# Altium PCB PCB2.PcbDoc
Units mil, origin at the board's own origin, x right, y up, seen from the top; angles counter-clockwise.
Board outline 3149.61 x 1574.8 mil, 2 copper layers (Top Layer, Bottom Layer); 49 components, 19 nets, 130 pads, 141 vias.
Unrouted connection lines stored in the file: 28.
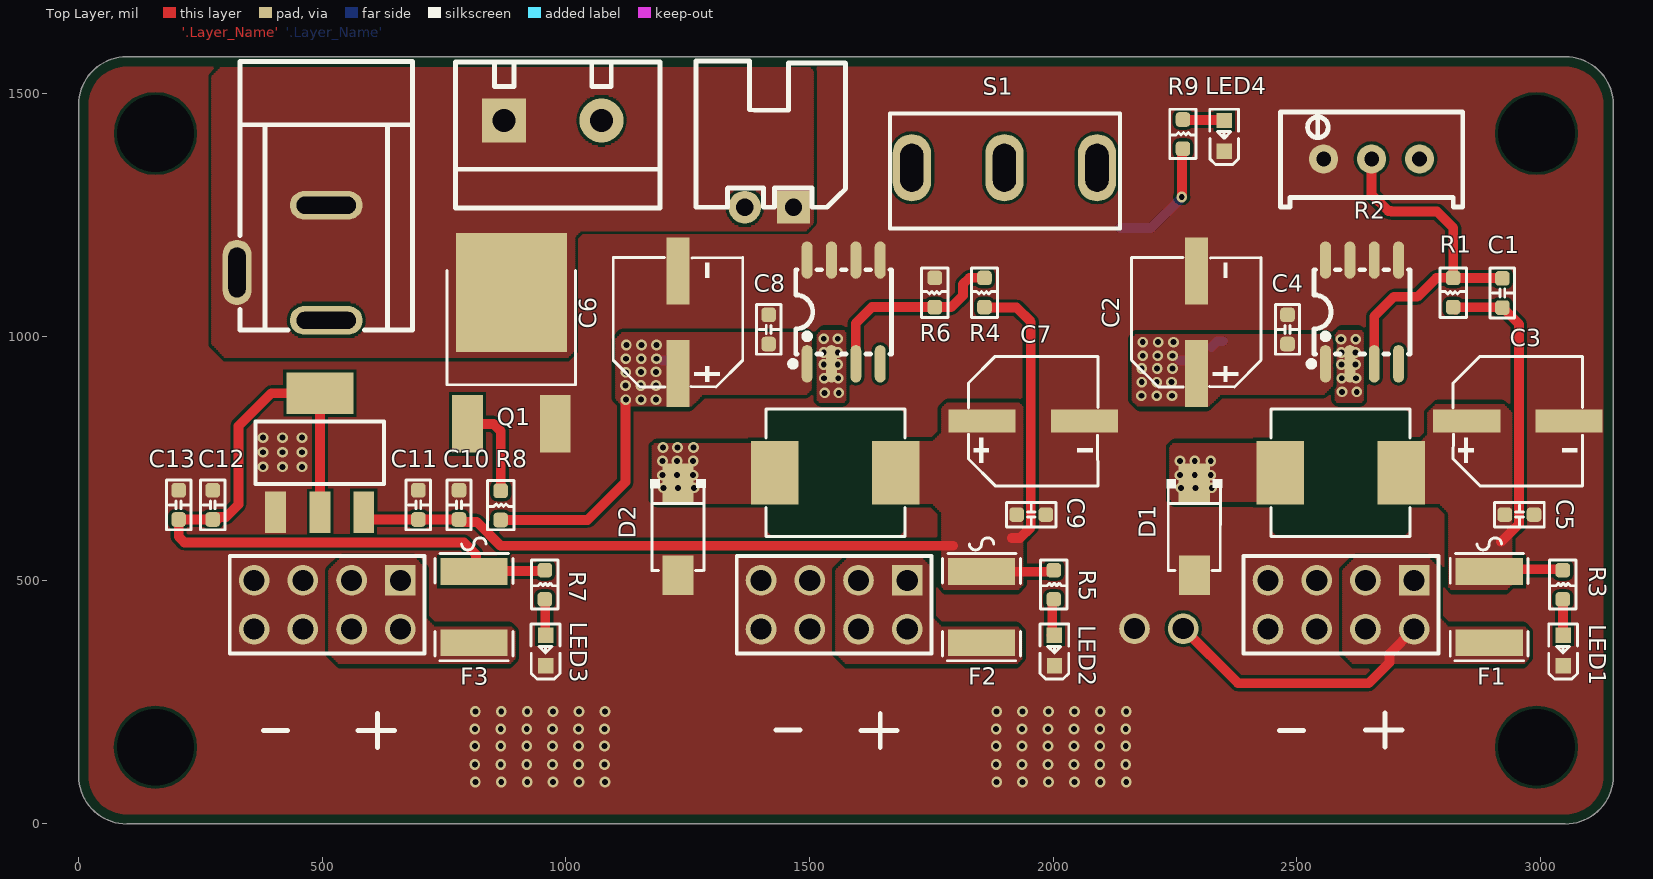
[diagram p0: Top Layer view]
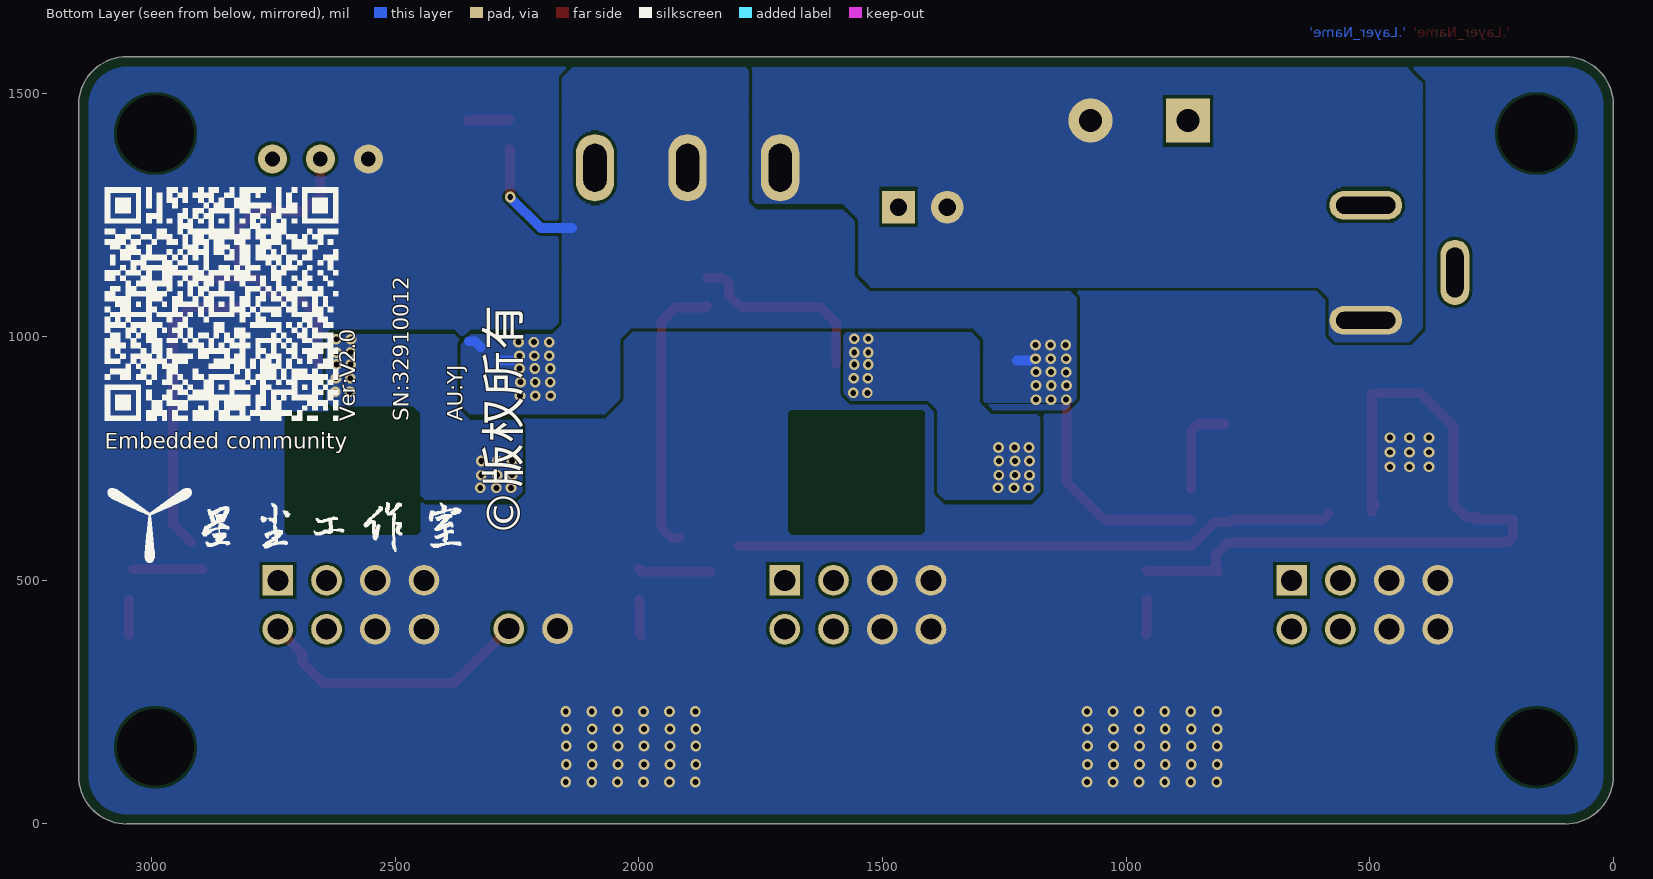
[diagram p1: Bottom Layer view, seen from below]

## Layer stack, top to bottom
Top Solder: solder mask 12.5984, Solder Resist, Dk 3.5
Top Layer: signal copper 12.5984
Dielectric 1: dielectric 12.6, FR-4, Dk 4.8
Bottom Layer: signal copper 12.5984
Bottom Solder: solder mask 12.5984, Solder Resist, Dk 3.5

## Board outline
0,98.43 ccw(c98.43,98.43) 98.43,0 3051.18,0 ccw(c3051.18,98.43) 3149.61,98.43 3149.61,1476.38 ccw(c3051.18,1476.38) 3051.18,1574.8 98.43,1574.8 ccw(c98.43,1476.38) 0,1476.38

## Design rules (kind name [scope] priority, off if disabled: settings)
BoardOutlineClearance [All] p1: gap=20 ignorepadtopadclearanceinfootprint=FALSE
Clearance Clearance_2 [InNamedPolygon('Top Layer-No Net1') vs OnLayer('Mechanical 1')] p1: gap=6 ignorepadtopadclearanceinfootprint=FALSE
Clearance Clearance_1 [InNamedPolygon('Top Layer-No Net1') vs OnLayer('Mechanical 1')] p2: gap=8 ignorepadtopadclearanceinfootprint=FALSE
Clearance [All] p3: gap=6 ignorepadtopadclearanceinfootprint=FALSE
PlaneClearance [All] p1: clearance=8
PlaneConnect [All] p1: planeconnectstyle=Direct reliefexpansion=20 reliefentries=4 reliefconductorwidth=10 reliefairgap=10
PolygonConnect PolygonConnect_1 [InNet('GND')] p1: connectstyle=Direct reliefconductorwidth=15 reliefentries=4 polygonreliefangle="90 Angle" airgapwidth=10
PolygonConnect [All] p2: connectstyle=Direct reliefconductorwidth=10 reliefentries=4 polygonreliefangle="90 Angle" airgapwidth=10
RoutingVias [All] p1: holewidth=12 width=22 viastyle="Through Hole" minholewidth=12 minwidth=22 maxholewidth=12 maxwidth=22
SilkToSilkClearance [All] p1: silktosilkclearance=2
SilkToSolderMaskClearance [IsPad] p1: minsilkscreentomaskgap=2 clearancetoexposedcopper=TRUE
SolderMaskExpansion [All] p1: expansion=4
Width [All] p1: maxlimit=100 minlimit=20 preferedwidth=20
26 further rules are at their usual default settings.

## Classes and differential pairs
component class Sheet1: C1 C2 C3 C4 C5 C6 C7 C8 C9 C10 C11 C12 C13 D1 D2 F1 F2 F3 LED1 LED2 LED3 LED4 Q1 R1 R2 R3 R4 R5 R6 R7 R8 R9 S1

## Components (designator, comment, footprint, x,y, rotation, side; value= is the part's Value field where it differs from the comment)
1 "MTP125-1204S1" HDR-TH_8P-P2.54-V-F-R2-C4-S2.54-1 510,450 r180 top
ADJ1 "MTP125-1204S1" HDR-TH_8P-P2.54-V-F-R2-C4-S2.54-1 2591,450 r180 top
ADJ2 "MTP125-1204S1" HDR-TH_8P-P2.54-V-F-R2-C4-S2.54-1 1550.5,450 r180 top
ADJ3 "1125-1102G0S116C001" "焊盘 2P" 5152,-849 r0 bottom
C1 "1nF" 0603C 2922,1090 r270 top
C2 "100uF" CAP-SMD_BD6.3-L6.6-W6.6-FD 2294,1030 r90 top
C3 "100uF" CAP-SMD_BD6.3-L6.6-W6.6-FD 2954,827 r0 top
C4 "0.1uF" 0603C 2481,1015.13 r270 top
C5 "0.1uF" 0603C 2957,635 r180 top
C6 "100uF" CAP-SMD_BD6.3-L6.6-W6.6-FD 1230,1030 r90 top
C7 "100uF" CAP-SMD_BD6.3-L6.6-W6.6-FD 1959,827 r0 top
C8 "0.1uF" 0603C 1416.06,1015.13 r270 top
C9 "0.1uF" 0603C 1955,635 r180 top
C10 "10uF" 0603C 780.5,655 r270 top
C11 "0.1uF" 0603C 697,655 r270 top
C12 "10uF" 0603C 275,655 r270 top
C13 "0.1uF" 0603C 205,655 r270 top
D1 "SS54_C727065" SMA_L4.3-W2.6-LS5.0-RD 2290,605 r270 top
D2 "SS54_C727065" SMA_L4.3-W2.6-LS5.0-RD 1230,605 r270 top
F1 "ASMD1812-030" F1812 2895,445 r270 top
F2 "ASMD1812-030" F1812 1853,445 r270 top
F3 "ASMD1812-030" F1812 811,445 r270 top
H1 "固定孔" GP-T 157.48,157.48 r0 top
H2 "固定孔" GP-T 2992.13,157.48 r0 top
H3 "固定孔" GP-T 2992.13,1417.32 r0 top
H4 "固定孔" GP-T 157.48,1417.32 r0 top
J1 "DC-005-20A_C136744" DC-IN-TH_DC-005-20A 416.45,1151.91 r270 top
J2 "1715721" KF301-5.0-2P 873,1444 r180 top
J3 "HX25003-2A" XH2.54-WI-2P 1417,1266 r180 top
L1 "47uH" IND-SMD_L7.1-W6.6 2590,721 r180 top
L2 "47uH" IND-SMD_L7.1-W6.6 1553,721 r180 top
LED1 "MHT192JGCT" LED0603-RD 3047,356 r90 top
LED2 "MHT192JGCT" LED0603-RD 2002.7,356 r90 top
LED3 "MHT192JGCT" LED0603-RD 958.39,356 r90 top
LED4 "MHT192JGCT" LED0603-RD 2351.26,1412.35 r90 top
Q1 "25N06G" TO-252-2_L6.6-W6.1-P4.57-LS9.9-BR-CW 888,956 r270 top
R1 "1K" 0603R 2821,1091 r90 top
R2 "10K" RES-ADJ-TH_3P-L10.0-W10.0-P2.50-L 2653.57,1365 r0 top
R3 "10K" 0603R 3046,491 r270 top
R4 "7.6K" 0603R 1859,1091 r90 top
R5 "5K" 0603R 2001.33,491 r270 top
R6 "2.5K" 0603R 1757,1091 r90 top
R7 "2.5K" 0603R 956.65,491 r270 top
R8 "10R" 0603R 866,654 r270 top
R9 "10K" 0603R 2266.39,1416.04 r270 top
S1 "SW-SPDT" 钮子开关 1900,1337 r0 top
U1 "XL1509-5.0" SOIC-8_L5.0-W4.0-P1.27-LS6.0-BL 2634,1051 r0 top
U2 "XL1509-5.0" SOIC-8_L5.0-W4.0-P1.27-LS6.0-BL 1570,1051 r0 top
U3 "AMS1117-3.3" AMS1117 494.5,762 r0 top

## Footprints (in the part's own frame and the unit in brackets; to place one, negate y for a bottom-side part, rotate by r counter-clockwise, add the part's x,y. Pads: shape width x height; smd on the part's side, far side on the other; paste and mask are expansions set on the pad)
0603C [mil]
  rrect50% 30x30 smd: 1(-30,0) 2(30,0)
  silkscreen extent -51,-25 51,25, body extent -36,-16 27,16, height 33
0603R [mil]
  rrect50% 30x30 smd: 1(-30,0) 2(30,0)
  silkscreen extent -51,-27 50,27, body extent -36,-16 27,16, height 16
AMS1117 [mil]
  rect 43x85 smd: 1(-90.5,-122) 2(0.5,-122) 3(90.5,-122)
  rect 138x85 smd: 4(0.5,122)
  silkscreen extent -132,-64 132,64, body extent -125,-132 130,144, height 65
CAP-SMD_BD6.3-L6.6-W6.6-FD [mm]
  rect 3.5x1.2 smd: 1(-2.67,0) 2(2.67,0)
  silkscreen extent -3.38,-3.38 3.38,3.38, body extent -3.83,-3.3 3.17,3.3, height 5.4
DC-IN-TH_DC-005-20A [mm]
  oval 1.5x3.8 hole 0.9 slot 3.1 at 90 deg: 1(3.001,2.325) 2(-2.999,2.325)
  oval 3.4x1.5 hole 0.9 slot 2.6 at 0 deg: 3(0.5,-2.325)
  silkscreen extent -10.5,-2.17 3.5,6.83, body extent -10.5,-2.42 3.55,6.88, height 11.2
F1812 [mil]
  rect 55.38x137.76 smd: 1(-72.97,0) 2(72.97,0)
  silkscreen extent -142,-80 110,80, body extent -108,-63 73,63, height 34
GP-T [mil] "定位孔"
  rect 70x70 hole 157.48: 1(0,0)
HDR-TH_8P-P2.54-V-F-R2-C4-S2.54-1 [mm]
  rect 1.6x1.6 hole 1.1: 1(-3.81,-1.27)
  round 1.6 hole 1.1: 2(-3.81,1.27) 3(-1.27,-1.27) 4(-1.27,1.27) 5(1.27,-1.27) 6(1.27,1.27) 7(3.81,-1.27) 8(3.81,1.27)
  silkscreen extent -5.08,-2.54 5.08,2.54, body extent -5.08,-1.62 5.08,11.23, height 5.1
IND-SMD_L7.1-W6.6 [mm]
  rect 2.474x3.32 smd: 1(3.153,0) 2(-3.153,0)
  silkscreen extent -3.63,-3.33 3.63,3.33, body extent -3.5,-3.3 3.45,3.3, height 3.05
KF301-5.0-2P [mm] "可拼接端子/6A"
  rect 2.3x2.3 hole 1.2: 1(0,0)
  round 2.3 hole 1.2: 2(-5.08,0)
  silkscreen extent -8.13,-3.05 2.54,4.57, body extent -7.95,-3 2.55,4.6, height 10.05
LED0603-RD [mm]
  rect 0.8x0.8 smd: 1(-0.799,-0.003) 2(0.799,0.004)
  silkscreen extent -1.49,-0.75 1.39,0.76, body extent -0.78,-0.4 0.82,0.4, height 0.61
RES-ADJ-TH_3P-L10.0-W10.0-P2.50-L [mil]
  round 60 hole 30: 1(-98.42,0) 2(0,0) 3(98.43,0)
  silkscreen extent -187,-98 187,96, body extent -185,-94 189,94, height 454
SMA_L4.3-W2.6-LS5.0-RD [mm]
  rect 2.046x1.62 smd: 1(-2.404,-0.009) 2(2.404,0.009)
  silkscreen extent -2.61,-1.44 2.16,1.44, body extent -2.66,-1.31 2.45,1.29, height 2.15
SOIC-8_L5.0-W4.0-P1.27-LS6.0-BL [mil]
  oval 22.38x76.78 smd: 1(-75,-106.5) 2(-25,-106.5) 3(25,-106.5) 4(75,-106.5) 5(75,106.5) 6(25,106.5) 7(-25,106.5) 8(-75,106.5)
  silkscreen extent -110,-112 98,87, body extent -98,-118 98,118, height 75
TO-252-2_L6.6-W6.1-P4.57-LS9.9-BR-CW [mm]
  rect 3x1.6 smd: 1(3.423,-2.29) 3(3.424,2.29)
  rect 6.2x5.8 smd: 2(-3.424,0)
  silkscreen extent -4.58,-3.35 1.38,3.35, body extent -5.89,-3.37 4.21,3.37, height 2.5
XH2.54-WI-2P [mm] "接插件，2P"
  rect 1.7x1.7 hole 0.9: 1(-1.27,0)
  round 1.7 hole 0.9: 2(1.27,0)
  silkscreen extent -3.99,-7.62 3.81,0, body extent -3.77,-7.35 3.77,0.35, height 5.73
"焊盘 2P" [mm]
  round 1.6 hole 1.1: 1(-75.819,-31.75) 2(-73.279,-31.75)
钮子开关 [mm]
  oval 2x3.5 hole 1.2 slot 2.5 at 90 deg: 1(-4.826,0.254) 2(0,0.254) 3(4.826,0.254)
  silkscreen extent -5.97,-2.92 6.03,3.08, body extent -6.35,-4.83 6.36,5.33, height 28.7

## Part data
1 ADJ1 ADJ2: "插针-弯", BOM_JLCPCB Part Class="Extended Part", BOM_Manufacturer=MINTRON, BOM_Manufacturer Part=MTP125-1204S1, BOM_Supplier=LCSC, BOM_Supplier Part=C358693, Contributor=LCSC, spicePre=U, spiceSymbolName=MTP125-1204S1
ADJ3: library part "焊盘 2p", "毫伏电压表焊盘", BOM_Manufacturer=Wcon(ά?, BOM_Manufacturer Part=1125-1102G0S116C001, BOM_Supplier=LCSC, BOM_Supplier Part=C920781, Contributor=LCSC, spicePre=H, spiceSymbolName=1125-1102G0S116C001
C1 C4 C5 C8 C9 C10 C11 C12 C13: library part C
C2 C3 C6 C7: BOM_JLCPCB Part Class="Extended Part", BOM_Manufacturer=SEMTECH, BOM_Manufacturer Part=CK1C101M-CRE54, BOM_Supplier=LCSC, BOM_Supplier Part=C129250, Contributor=LCSC, nameAlias=Capacitance, spicePre=C, spiceSymbolName=CK1C101M-CRE54
D1 D2: "肖特基二极管", BOM_JLCPCB Part Class="Extended Part", BOM_Manufacturer=TWGMC, BOM_Manufacturer Part=SS54, BOM_Supplier=LCSC, BOM_Supplier Part=C727065, Contributor=LCSC, spicePre=D, spiceSymbolName=SS54_C727065
F1 F2 F3: BOM_JLCPCB Part Class="Extended Part", BOM_Manufacturer=JDTFUSE, BOM_Manufacturer Part=ASMD1812-030, BOM_Supplier=LCSC, BOM_Supplier Part=C135357, Contributor=LCSC, spicePre=F, spiceSymbolName=ASMD1812-030
J1: BOM_JLCPCB Part Class="Extended Part", BOM_Manufacturer=HRO, BOM_Manufacturer Part=DC-005-20A, BOM_Supplier=LCSC, BOM_Supplier Part=C136744, Contributor=LCSC, spicePre=D, spiceSymbolName=DC-005-20A_C136744
J2: BOM_JLCPCB Part Class="Extended Part", BOM_Manufacturer="Phoenix Contact", BOM_Manufacturer Part=1715721, BOM_Supplier=LCSC, BOM_Supplier Part=C480516, Contributor=LCSC, spicePre=U, spiceSymbolName=1715721
J3: BOM_JLCPCB Part Class="Extended Part", BOM_Manufacturer="HX(Zhejiang Yueqing Hongxing Elec)", BOM_Manufacturer Part=HX25003-2A, BOM_Supplier=LCSC, BOM_Supplier Part=C442299, Contributor=LCSC, spicePre=C, spiceSymbolName=HX25003-2A
L1 L2: library part 33uH, BOM_JLCPCB Part Class="Extended Part", BOM_Manufacturer=SXN, BOM_Manufacturer Part=SMMS0650-330M, BOM_Supplier=LCSC, BOM_Supplier Part=C149587, nameAlias=Inductance, spicePre=L, spiceSymbolName=SMMS0650-330M
LED1 LED2 LED3 LED4: BOM_JLCPCB Part Class="Extended Part", BOM_Manufacturer=MEIHUA, BOM_Manufacturer Part=MHT192JGCT, BOM_Supplier=LCSC, BOM_Supplier Part=C473820, Contributor=LCSC, spicePre=L, spiceSymbolName=MHT192JGCT
Q1: BOM_JLCPCB Part Class="Extended Part", BOM_Manufacturer="Chongqing Pingwei Tech", BOM_Manufacturer Part=25N06G, BOM_Supplier=LCSC, BOM_Supplier Part=C432617, Contributor=LCSC, spicePre=Q, spiceSymbolName=25N06G
R1 R3 R4 R5 R6 R7 R8 R9: library part R
R2: "电位器", BOM_JLCPCB Part Class="Extended Part", BOM_Manufacturer="Chengdu Guosheng Tech", BOM_Manufacturer Part=3296W-1-103, BOM_Supplier=LCSC, BOM_Supplier Part=C118954, Contributor=LCSC, nameAlias="Resistance (Ohms)", Resistance(Ohms)=10K, spicePre=R, spiceSymbolName=3296W-1-103
S1: "单刀双掷开关 3脚船型、钮子、拨动开关 SPDT Subminiature Toggle Switch", Price(RMB)=0.000, Published=24-Mar-1999, Publisher="Altium Limited"
U1 U2: "开关电源3A", BOM_JLCPCB Part Class="Extended Part", BOM_Manufacturer=UMW(ÓÑÌ, BOM_Manufacturer Part=XL1509-5.0, BOM_Supplier=LCSC, BOM_Supplier Part=C2681225, Contributor=LCSC, spicePre=U, spiceSymbolName=XL1509-5.0
U3: library part AMS1117-3.3_C165482, "3.3V稳压芯片", BOM_LCSC Assembly=Yes, BOM_Manufacturer=SK, BOM_Manufacturer Part=AMS1117-3.3, BOM_Supplier=LCSC, BOM_Supplier Part=C165482, Contributor=LCSC, SMT Type=Extend, spicePre=U, spiceSymbolName=AMS1117-3.3_C165482

## Via types
v1: diameter 22, hole 12, Top Layer to Bottom Layer, tented both sides, 141 vias

## Nets (pads, with @x,y where several pads share a name; then routed paths per layer and width w, separated by ;. In a path a pad name is that pad's centre, name@x,y a point inside that pad or via, vN(x,y) a via of type N, cw(c..) or ccw(c..) an arc to the next point about the centre after c; other vN are vias at no path point)
3V3: C12.2 C13.2 F3.1 R7.1 U3.2 U3.4 | length 1598.1
  Top Layer w20: C12.2@285,625 C12.2 ; U3.2@489,655 U3.2@495,661 ; U3.2 U3.2@495,661 ; F3.1 F3.1@812.52,519.48 ; R7.1@958,521 956.48,519.48 F3.1@812.52,519.48 ; C12.2 280,630 302,630 328,656 328,817 395,884 U3.4 U3.2@495,661 ; C12.2 C13.2 205,589.72 216.72,578 790.73,578 815.37,553.37 815.37,522.33 F3.1@812.52,519.48
5V: C7.1 C9.2 C10.2 C11.2 F2.1 L2.2 R4.1 R5.1 U3.3 | length 1968.3
  Top Layer w20: U3.3 585,636.5 596.5,625 C11.2 C10.2 785.5,620 817,620 865.87,571.13 1795,571.13 ; F2.1 1994.5,517.97 1999,522.47 R5.1@1999,525 ; R4.1@1860,1063 1863,1060 1925,1060 1954,1031 1954,609 1932.13,587.13 1915,587.13
FB: R4.2 R6.1 U2.3 | length 399.5
  Top Layer w20: U2.3 1595,1028 1628,1061 R6.1 1791,1061 1815,1085 1815,1108 1828,1121 R4.2
FB_ADJ: C1.1 R1.2 R2.2 U1.3 | length 764.6
  Top Layer w20: R2.2 2653.57,1292.42 2688,1258 2694,1258 ; U1.3 2659,1042 2699,1082 2747.37,1082 2786.37,1121 R1.2 ; 2694,1257 2788,1257 2821,1224 R1.2 ; C1.1 2921.5,1120.5 2821.5,1120.5 R1.2
G: J1.2 J1.3 J2.1 J3.1 Q1.2
GND: 1.5 1.6 1.7 1.8 ADJ1.5 ADJ1.6 ADJ1.7 ADJ1.8 ADJ2.5 ADJ2.6 ADJ2.7 ADJ2.8 ADJ3.1 C2.2 C3.2 C4.1 C5.1 C6.2 C7.2 C8.1 C9.1 C10.1 C11.1 C12.1 C13.1 D1.2 D2.2 LED1.1 LED2.1 LED3.1 LED4.1 Q1.3 R2.1 R6.2 U1.5 U1.6 U1.7 U1.8 U2.5 U2.6 U2.7 U2.8 U3.1
  other v1: 814,86 867.2,86 920.4,86 973.6,86 1026.8,86 1080,86 1884,86 1937.2,86 1990.4,86 2043.6,86 2096.8,86 2150,86 813,122 866.2,122 919.4,122 972.6,122 1025.8,122 1079,122 1883,122 1936.2,122 1989.4,122 2042.6,122 2095.8,122 2149,122 813,160 866.2,160 919.4,160 972.6,160 1025.8,160 1079,160 1883,160 1936.2,160 1989.4,160 2042.6,160 2095.8,160 2149,160 813,195 866.2,195 919.4,195 972.6,195 1025.8,195 1079,195 1883,195 1936.2,195 1989.4,195 2042.6,195 2095.8,195 2149,195 814,231 867.2,231 920.4,231 973.6,231 1026.8,231 1080,231 1884,231 1937.2,231 1990.4,231 2043.6,231 2096.8,231 2150,231 378,733 418,733 458,733 378,763 418,763 458,763 378,793 418,793 458,793
Input: C2.1 C4.2 C6.1 C8.2 R8.2 R9.2 S1.2 U1.1 U2.1 | length 787.7
  Top Layer w20: R8.2 1044,624 1122,702 v1@1122,869 ; v1(2264,1287) 2264.39,1287.39 R9.2@2264.39,1386.04
  Bottom Layer w20: 1197.88,951.13 1224,951.13 ; 2137.44,1223.13 2201.13,1223.13 v1@2264,1286 ; 2260.38,951.13 2286.5,951.13 ; 2325.04,979 2336.75,990.72 2348.5,990.72
  other v1: 1123,871 1154,871 1185,871 2181,879 2212.5,879 2244,879 1122,900 1153.5,900 1185,900 2182,907 2212.5,907 2243,907 1123,927 1154,928 1185,928 2182,935 2213.5,935 2245,935 1123,955 1154.5,955 1186,955 2184,961 2214.5,961 2245,961 1124,983 1155,983 1186,983 2184,989 2215.5,989 2247,989
Net1_1: 1.1 1.2 1.3 1.4 F3.2
NetADJ1_1: ADJ1.1 ADJ1.2 ADJ1.3 ADJ1.4 ADJ3.2 F1.2 | length 576.9
  Top Layer w20: ADJ3.2 2379,289 2648,289 2690.39,331.39 2690.39,349.39 ADJ1.2
NetADJ2_1: ADJ2.1 ADJ2.2 ADJ2.3 ADJ2.4 F2.2
NetJ1_1: J1.1 J2.2 J3.2 S1.1
NetLED1_2: LED1.2 R3.2 | length 73.9
  Top Layer w20: R3.2 3046.43,460.57 3046.43,387.91 LED1.2
NetLED2_2: LED2.2 R5.2 | length 74.7
  Top Layer w20: LED2.2@1996.73,387.48 1998.12,388.86 1998.12,459.62 R5.2@1999.5,461
NetLED3_2: LED3.2 R7.2 | length 73
  Top Layer w20: R7.2 957.45,460.2 957.45,390.55 LED3.2@959,389
NetLED4_2: LED4.2 R9.1 | length 85.6
  Top Layer w20: R9.1 2267.5,1444.93 2350.01,1444.93 LED4.2
Output: D2.1 L2.1 U2.2
  other v1: 1200,690 1230,690 1263,690 1198,716 1228,716 1261,716 1198,745 1228,745 1261,745 1199,773 1229,773 1262,773 1531,885 1560,885 1530,915 1559,915 1529,943 1558,943 1529,968 1558,968 1529,996 1558,996
Output_ADJ: D1.1 L1.1 U1.2
  other v1: 2262.5,690 2292.5,690 2325.5,690 2260.5,716 2290.5,716 2323.5,716 2260.5,745 2290.5,745 2323.5,745 2593,887 2623,887 2592.5,915 2621.5,915 2591.5,943 2620.5,943 2591.5,968 2620.5,968 2591,995 2621,995
SW: Q1.1 R8.1 | length 194.5
  Top Layer w20: Q1.1 851.76,821.24 866,807 866,688 R8.1@867,687
VADJ: C1.2 C3.1 C5.2 F1.1 L1.2 R1.1 R3.1 | length 764
  Top Layer w20: R1.1@2819,1062 R1.1@2821,1060 ; R1.1@2826,1056 2821.5,1060.5 2921.5,1060.5 C1.2 2956,1026 2956,615.83 2919.3,579.13 ; F1.1@2895,522.97 R3.1@3038.97,522.97
pads on no net: H1.1 H2.1 H3.1 H4.1 R2.3 S1.3 U1.4 U2.4

## Polygon pours and split planes (outlines as drawn)
GND on Top Layer "Top Layer-No Net" (solid, pour order 211): 0,98.43 ccw(c98.43,98.43) 98.43,0 3051.18,0 ccw(c3051.18,98.43) 3149.61,98.43 3149.61,1476.38 ccw(c3051.18,1476.38) 3051.18,1574.8 98.43,1574.8 ccw(c98.43,1476.38) 0,1476.38
VADJ on Top Layer "Top Layer-VADJ" (hatched Horizontal grid 4 track 5, remove dead copper, pour order 209): 2673.5,773 2685.5,785 2756,785 2770,799 2770,844 2788,862 2922,862 2940,844 2940,492 2928,480 2820.5,480 2812.5,488 2812.5,639 2792.5,659 2683.5,659 2673.5,669
5V on Top Layer "Top Layer-5V" (hatched Horizontal grid 4 track 5, remove dead copper, pour order 207): 1633,773 1645,785 1754,785 1772,803 1772,853 1783,864 1929,864 1937,856 1937,492 1925,480 1780,480 1772,488 1772,639 1752,659 1643,659 1633,669
G on Top Layer "Top Layer-G" (hatched Horizontal grid 4 track 5, remove dead copper, pour order 205): 305,1565 274,1534 274,985 302,957 1002,957 1017,972 1017,1205 1031,1219 1492,1219 1507,1234 1507,1545 1487,1565
Net1_1 on Top Layer "Top Layer-Net1_1" (hatched Horizontal grid 4 track 5, remove dead copper, pour order 201): 514.5,521 539.5,546 688.5,546 709.5,525 709.5,424 727.5,406 884.5,406 894.5,396 894.5,340 882.5,328 536.5,328 514.5,350
NetADJ1_1 on Top Layer "Top Layer-NetADJ1_1" (hatched Horizontal grid 4 track 5, remove dead copper, pour order 199): 2595.5,521 2620.5,546 2769.5,546 2790.5,525 2790.5,424 2808.5,406 2965.5,406 2975.5,396 2975.5,340 2963.5,328 2617.5,328 2595.5,350
NetADJ2_1 on Top Layer "Top Layer-NetADJ2_1" (hatched Horizontal grid 4 track 5, remove dead copper, pour order 197): 1555,521 1580,546 1729,546 1750,525 1750,424 1768,406 1925,406 1935,396 1935,340 1923,328 1577,328 1555,350
Output_ADJ on Top Layer "Top Layer-Output_ADJ" (hatched Horizontal grid 4 track 5, remove dead copper, pour order 158): 2590.5,1015 2628.5,1015 2635.5,1008 2635.5,870 2630.5,865 2585.5,865 2579.5,871 2579.5,1004
Input on Top Layer "Top Layer-Input" (hatched Horizontal grid 4 track 5, remove dead copper, pour order 154): 2163,997 2171,1005 2560.64,1005 2573,992.64 2573,900.5 2555.5,883 2343.5,883 2316.5,856 2177,856 2163,870
Output_ADJ on Top Layer "Top Layer-Output_ADJ 1" (hatched Horizontal grid 4 track 5, remove dead copper, pour order 152): 2240.63,773.63 2249,782 2506,782 2517,771 2517,671 2506,660 2247.5,660 2240.63,666.88
Output on Top Layer "Top Layer-Output" (hatched Horizontal grid 4 track 5, remove dead copper, pour order 120): 1528,1015 1566,1015 1573,1008 1573,870 1568,865 1523,865 1517,871 1517,1004
no net on Top Layer "Top Layer-No Net 6" (hatched Horizontal grid 4 track 5, remove dead copper, pour order 118): 1503,1000.14
Output on Top Layer "Top Layer-Output 1" (hatched Horizontal grid 4 track 5, remove dead copper, pour order 114): 1178.13,775.13 1185,782 1446,782 1457,771 1457,669 1447,659 1186,659 1178.13,666.88
Input on Top Layer "Top Layer-Input 1" (hatched Horizontal grid 4 track 5, remove dead copper, pour order 110): 1103,995 1116,1008 1495.14,1008 1503,1000.14 1503,893 1493,883 1281,883 1254,856 1120,856 1103,873
no net on Top Layer "Top Layer-No Net 2" (solid, pour order 74): 381.85,1608.7
GND on Top Layer "GND_L01_P066" (solid, pour order 66): 661.85,77.13
GND on Bottom Layer "Top Layer-No Net1" (solid, pour order 212): 0,98.43 ccw(c98.43,98.43) 98.43,0 3051.18,0 ccw(c3051.18,98.43) 3149.61,98.43 3149.61,1476.38 ccw(c3051.18,1476.38) 3051.18,1574.8 98.43,1574.8 ccw(c98.43,1476.38) 0,1476.38
NetJ1_1 on Bottom Layer "Bottom Layer-NetJ1_1" (hatched Horizontal grid 4 track 5, remove dead copper, pour order 174): 692.13,1103 1528,1103 1559,1134 1559,1237 1584,1262 1746.87,1262 1776,1291.13 1776,1544 1762,1558 431,1558 393,1520 393,1016.87 419,990.87 570,990.87 582,1002.87 582,1079 606,1103
Output_ADJ on Bottom Layer "Bottom Layer-Output_ADJ" (hatched Horizontal grid 4 track 5, remove dead copper, pour order 150): 2629,1007 2640.5,995.5 2640.5,869.5 2629,858 2462,858 2447,843 2447,676 2435,664 2259.5,664 2240.5,683 2240.5,816 2259.5,835 2325.5,835 2359.5,869 2359.5,983.5 2383,1007
GND on Bottom Layer "GND_L02_P134" (hatched Horizontal grid 4 track 5, remove dead copper, pour order 134): 1819,774
Output on Bottom Layer "Bottom Layer-Output" (hatched Horizontal grid 4 track 5, remove dead copper, pour order 112): 1570,1011 1578,1003 1578,884 1563,869 1405,869 1386,850 1386,681 1369,664 1197,664 1178,683 1178,834 1188,844 1281,844 1297,860 1297,989 1319,1011
Input on Bottom Layer "Bottom Layer-Input" (hatched Horizontal grid 4 track 5, remove dead copper, pour order 106): 1273,851 1125,851 1103,873 1103,1080 1115,1092 1527,1092 1559,1124 1559,1237 1584,1262 1762,1262 1776,1276 1776,1546 1791,1561 2126,1561 2156,1531 2156,1288 2156,1025 2174,1007 2341,1007 2364,984 2364,860 2344,840 2073,840 2040,873 2040,995 2016,1019 1635,1019 1314,1019 1291,996 1291,869

## Other copper
Top Layer:
  pour cut-out: 2450,845 2454,849 2725,849 2730,844 2730,601 2723,594 2457,594 2450,601
  pour cut-out: 1413,845 1417,849 1688,849 1693,844 1693,601 1685,593 1421,593 1413,601
  text "'.Layer_Name'" at 211,1615 h20
Bottom Layer:
  pour cut-out: 2448,843.5 2452,847.5 2723,847.5 2728,842.5 2728,599.5 2721,592.5 2455,592.5 2448,599.5
  pour cut-out: 1413,845 1417,849 1688,849 1693,844 1693,601 1686,594 1420,594 1413,601
  pour cut-out: 1136.85,862.13
  text "'.Layer_Name'" at 425,1615 h20

## Silkscreen, mask and mechanical layers (free items; w line width, h text height)
Top Overlay:
  lines w10: 378.85,191.72 428.85,191.72 ; 573.5,192 648.5,192 ; 613.5,157 613.5,227 ; 1430.5,193 1480.5,193 ; 1605,192 1680,192 ; 1645,157 1645,227 ; 2464,192 2514,192 ; 2641,193 2716,193 ; 2681,158 2681,228
Bottom Overlay:
  drawing of 6167 lines, arcs and shapes, not listed
  text "Ver:V2.0 /  / SN:32910012 /  / AU:YJ" at 2350.61,826.53 h55 r270
  text "Embedded community" at 3096.12,758.69 h55
  text "版权所有" at 2223.39,687.85 h118.11 r270
  text "©" at 2220.87,590.97 h118.11 r270
Mechanical 1:
  the board outline again, w10